# Altium PCB STM32VET6_PCB.PcbDoc (part 1 of 2)
Units mil, origin at the board's own origin, x right, y up, seen from the top; angles counter-clockwise.
Board outline 4926.29 x 3548.34 mil, 2 copper layers (Top Layer, Bottom Layer); 74 components, 112 nets, 463 pads, 168 vias.
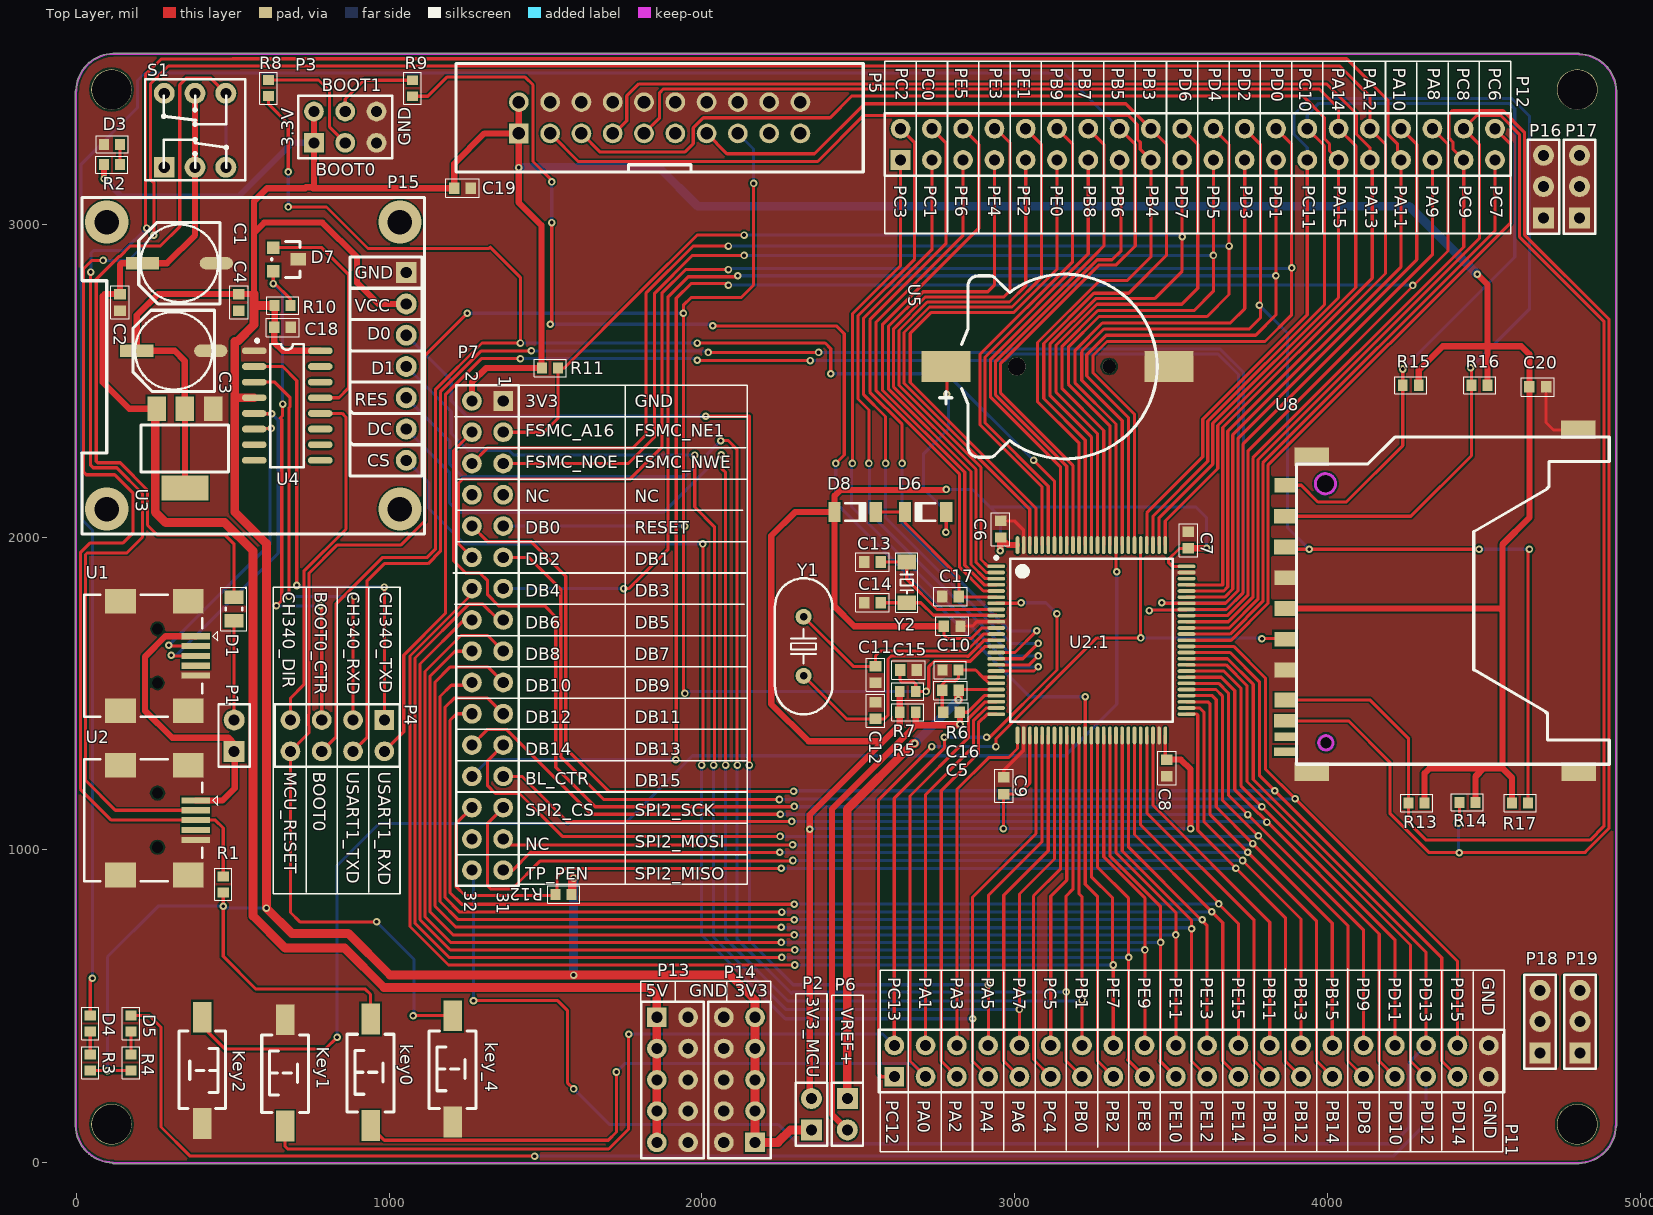
[diagram p0: Top Layer view]
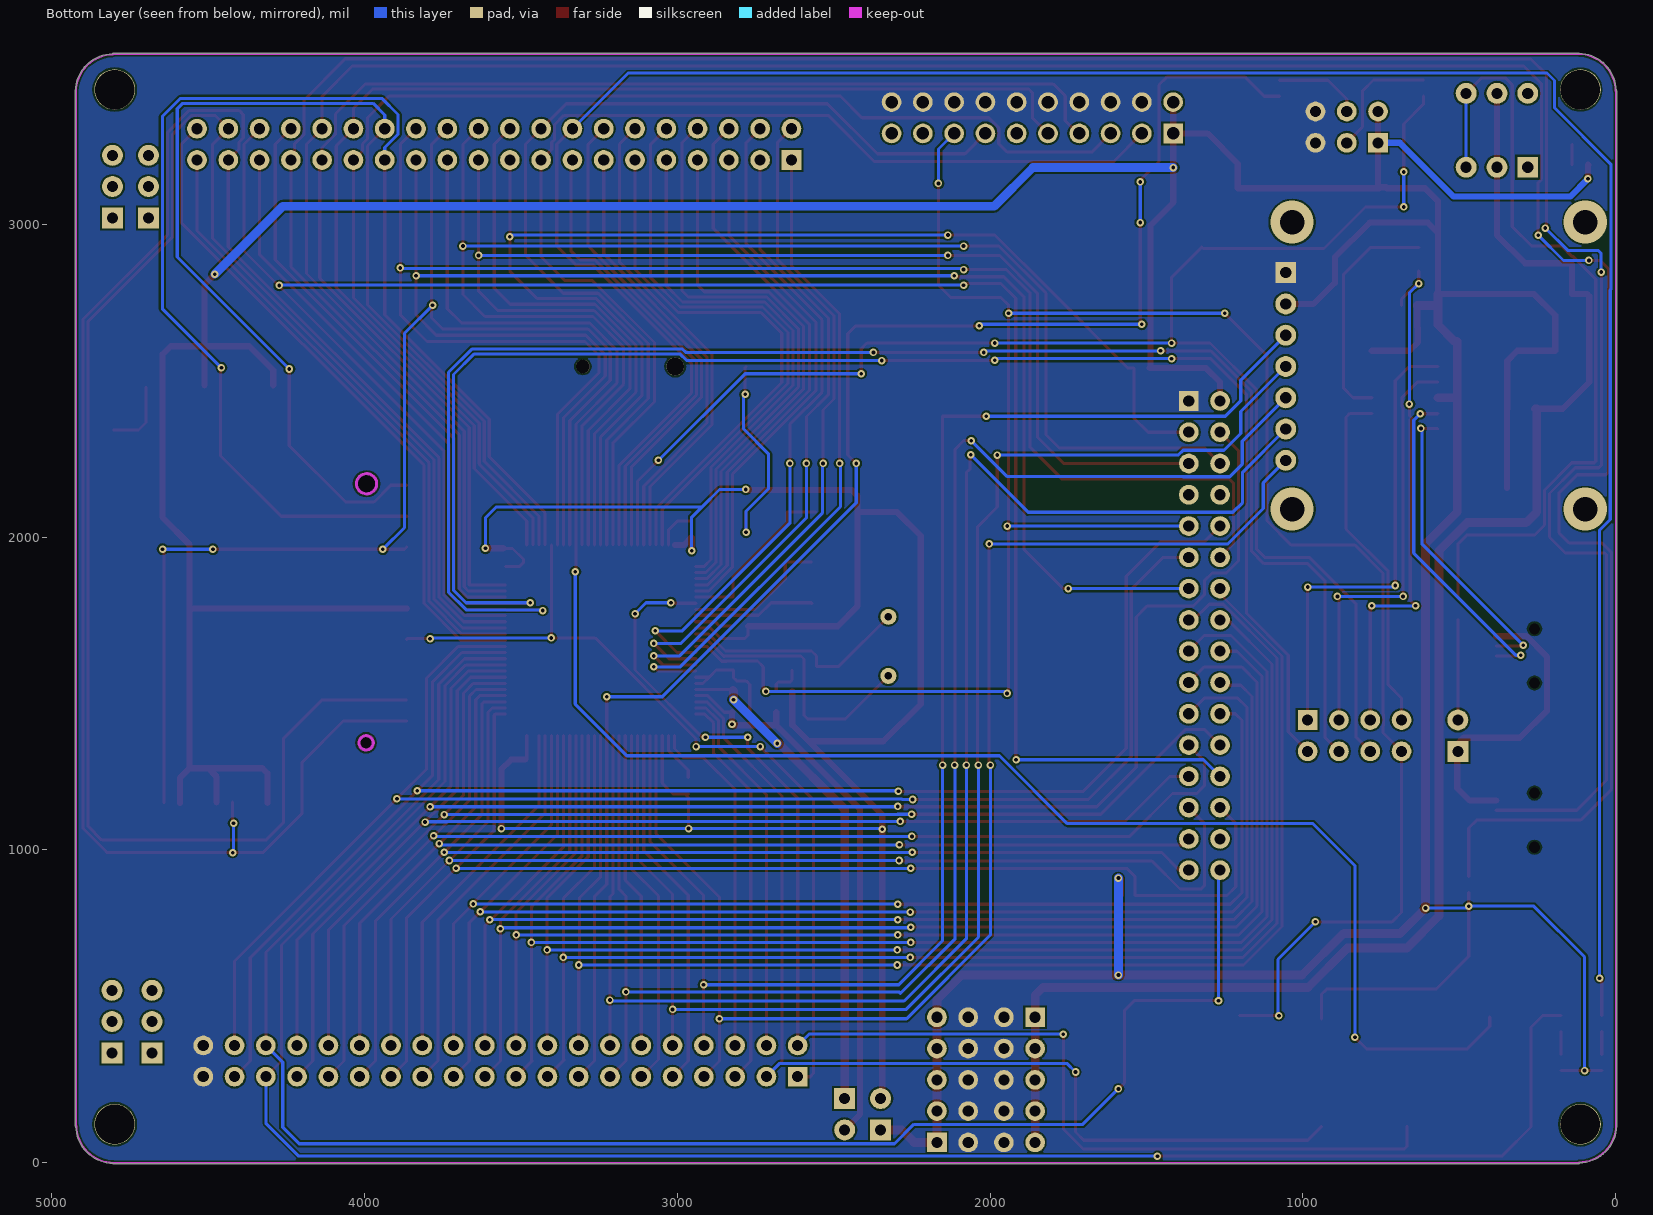
[diagram p1: Bottom Layer view, seen from below]

## Layer stack, top to bottom
Top Solder: solder mask 0.4, Solder Resist, Dk 3.5
Top Layer: signal copper 1.4
Dielectric 1: dielectric 12.6, FR-4, Dk 4.8
Bottom Layer: signal copper 1.4
Bottom Solder: solder mask 0.4, Solder Resist, Dk 3.5

## Board outline
-2.28,117.05 cw(c0,118.11) -2.51,118.11 -2.51,3425.2 cw(c0,3425.2) -0.6,3427.64 cw(c120,3425) 117.05,3545.59 cw(c118.11,3543.31) 118.11,3545.82 4803.15,3545.82 cw(c4803.15,3543.31) 4805.59,3543.9 cw(c4802.95,3423.31) 4923.54,3426.25 cw(c4921.26,3425.2) 4923.77,3425.2 4923.77,118.11 cw(c4921.26,118.11) 4921.86,115.67 cw(c4801.26,118.31) 4804.21,-2.28 cw(c4803.15,0) 4803.15,-2.52 118.11,-2.52 cw(c118.11,0) 115.67,-0.6 cw(c118.31,120)

## Design rules (kind name [scope] priority, off if disabled: settings)
Clearance [All] p1: gap=6 ignorepadtopadclearanceinfootprint=FALSE except(0: Arc-Hole Track-Hole SMDPad-Hole THPad-Hole Via-Hole Fill-Hole Poly-Hole Region-Hole Text-Hole)
PlaneConnect [All] p1: planeconnectstyle=Direct reliefexpansion=20 reliefentries=4 reliefconductorwidth=10 reliefairgap=10
PolygonConnect [All] p1: connectstyle=Direct reliefconductorwidth=10 reliefentries=4 polygonreliefangle="90 Angle" airgapwidth=10
RoutingVias [All] p1: holewidth=12 width=24 viastyle="Through Hole" minholewidth=12 minwidth=24 maxholewidth=12 maxwidth=24
SolderMaskExpansion [All] p1: expansion=4
Width power [InNetClass('PWR')] p1: maxlimit=60 minlimit=10 preferedwidth=28
Width [All] p2: maxlimit=10 minlimit=10 preferedwidth=10
29 further rules are at their usual default settings.

## Classes and differential pairs
net class PWR: DGND GND NetC16_1 VCC_3.3V VCC_3.3V_MCU VCC_5V VCC_A3.3V Vusb

## Components (designator, comment, footprint, x,y, rotation, side; value= is the part's Value field where it differs from the comment)
C1 "220uF/10V" "CT 6*6 - C" 330,2875 r180 top
C2 "100nF/50V" 0603_C 140,2750 r90 top
C3 "220uF/10V" "CT 6*6 - C" 312,2595 r180 top
C4 "100nF/50V" 0603_C 520,2750 r90 top
C5 "100nF/50V" 0603_C 2797.56,1440 r0 top
C6 "100nF/50V" 0603_C 2955,2025 r270 top
C7 "100nF/50V" 0603_C 3555,1990 r270 top
C8 "100nF/50V" 0603_C 3486,1262 r90 top
C9 "100nF/50V" 0603_C 2965,1205 r270 top
C10 "100nF/50V" 0603_C 2800,1715 r180 top
C11 "22pF/50V" 0603_C 2555,1560 r270 top
C12 "22pF/50V" 0603_C 2555,1445 r90 top
C13 "10pF/50V" 0603_C 2545,1920 r0 top
C14 "10pF/50V" 0603_C 2545,1790 r0 top
C15 "100nF/50V" 0603_C 2660,1575 r180 top
C16 "100nF/50V" 0603_C 2795,1510 r180 top
C17 "100nF/50V" 0603_C 2795,1810 r180 top
C18 "100nF/50V" 0603_C 660,2670 r180 top
C19 "100nF/50V" 0603_C 1235,3115 r0 top
C20 "100nF/50V" 0603_C 4671.57,2480 r180 top
D1 "0.5A/6V" 0805_D 504,1770 r90 top
D3 "R_LED" 0603_R 115,3255 r180 top
D4 "G_LED" 0603_R 45,445 r90 top
D5 "B_LED" 0603_R 175,445 r90 top
D6 "LL4148" LL4148 2715,2080 r180 top
D7 "DTC143ECA" SOT23 629.37,2929.88 r270 top
D8 "LL4148" LL4148 2490,2080 r0 top
key0 "WKUP" "TSW SMD-3*6*5" 941,289 r90 top
Key1 "KEY_1" "TSW SMD-3*6*5" 668,287 r90 top
Key2 "KEY_2" "TSW SMD-3*6*5" 403,295 r270 top
key_4 "RESET" "TSW SMD-3*6*5" 1203,300 r90 top
P1 "2P_排针" HDR2.54-LI-2P 505,1365 r90 top
P2 "2P_排针" HDR2.54-LI-2P 2350,155 r90 top
P3 "2*3Pin_插针" HDR2.54-LI-2X3P 860,3310 r0 top
P4 "2x4pin_插针" HDR2.54-LI-2x4P 835,1365 r180 top
P5 "JTAG" DC-2.54-L-Z-20P 1865,3340 r0 top
P6 "2P_排针" HDR2.54-LI-2P 2465,155 r270 top
P7 "TFT_LCD" HDR2.54-M-2X16P 1315,1685 r270 top
P11 "2*20pin_针座" HDR2.54-LI-2x20P 3565,325 r0 top
P12 "2*20pin_针座" HDR2.54-LI-2x20P 3585,3255 r0 top
P13 "2x5pin_针座" HDR2.54-LI-2x5P 1906,265 r270 top
P14 "2x5pin_针座" HDR2.54-LI-2x5P 2120,265 r90 top
P15 "0.96‘OLED" 0.96'OLED 1144.06,3700 r270 top
P16 "1x3pin_针座" HDR2.54-LI-3P 4690,3120 r90 top
P17 "1x3pin_针座" HDR2.54-LI-3P 4805,3120 r90 top
P18 "1x3pin_针座" HDR2.54-LI-3P 4678.94,451.06 r90 top
P19 "1x3pin_针座" HDR2.54-LI-3P 4806.81,451.06 r90 top
R1 "1.5k/1%" 0603_R 470,889.41 r270 top
R2 "4.7k/1%" 0603_R 114.41,3190 r180 top
R3 "4.7k/1%" 0603_R 45,320 r270 top
R4 "4.7k/1%" 0603_R 175,320 r270 top
R5 "0R" 0603_R 2658.03,1440 r180 top
R6 "0R" 0603_R 2794.41,1575 r0 top
R7 "10k/1%" 0603_R 2658.03,1506.52 r180 top
R8 "10k/1%" 0603_R 615,3435 r270 top
R9 "10k/1%" 0603_R 1075,3434.41 r90 top
R10 "10k/1%" 0603_R 660,2740 r0 top
R11 "10k/1%" 0603_R 1515,2540 r180 top
R12 "10k/1%" 0603_R 1558,857 r0 top
R13 "10k/1%" 0603_R 4284.41,1150 r0 top
R14 "10k/1%" 0603_R 4447,1152 r0 top
R15 "10k/1%" 0603_R 4265.59,2485 r0 top
R16 "10k/1%" 0603_R 4485.59,2485 r0 top
R17 "10k/1%" 0603_R 4615,1150 r180 top
S1 "switch" "KFT DIP-8X8" 380,3300 r0 top
U1 "USB" USB-MINI-5P 260,1620 r270 top
U2 "USB" USB-MINI-5P 260,1095 r270 top
U2.1 "STM32F103VET6" STM32F103VET6 3245,1670 r0 top
U3 "AMS1117-3.3V" SOT-223 350,2280 r180 top
U4 "CH340C" SOP16 674,2420 r0 top
U5 "CR1220" CR1220 3160,2545 r180 top
U8 "SD-102" SDCARD_L 3864.64,2066.18 r90 top
Y1 "8MHz" 8Mhz 2324.99,1655.52 r270 top
Y2 "36.768Khz" 32.768Khz晶振 2655,1850 r270 top

## Footprints (in the part's own frame and the unit in brackets; to place one, negate y for a bottom-side part, rotate by r counter-clockwise, add the part's x,y. Pads: shape width x height; smd on the part's side, far side on the other; paste and mask are expansions set on the pad)
0.96'OLED [mm] "7脚"
  rect 1.7x1.7 hole 0.9: 1(21.717,-2.262)
  round 1.7 hole 0.9: 2(24.257,-2.262) 3(26.797,-2.262) 4(29.337,-2.262) 5(31.877,-2.262) 6(34.417,-2.262) 7(36.957,-2.262)
  silkscreen extent 15.62,-28.62 42.92,-0.77, body extent 15.95,-28.59 42.65,-0.73, height 15
8Mhz [mm] "HC-49S8MHZ20PF30PPM"
  round 1.3 hole 0.6: 1(-2.273,0) 2(2.527,0)
  silkscreen extent -5.4,-2.32 5.65,2.33, body extent -5.4,-2.33 5.65,2.33, height 13.95
32.768Khz晶振 [mm] "3215_2脚贴片"
  rect 1.2x1.5 smd: 1(-1.777,0) 2(1.523,0)
  silkscreen extent -2.54,-0.89 2.29,0.89, body extent -1.73,-0.75 1.47,0.75, height 0.61
0603_C [mm] "Chip Capacitor, 2-Leads, Body 1.60x0.80mm, IPC Medium Density"
  rect 0.85x0.95 smd: 1(-0.675,0) 2(0.675,0)
  silkscreen extent -1.35,-0.75 1.35,0.75, body extent -0.85,-0.45 0.85,0.45, height 0.9
0603_R [mm] "Chip Resistor, 2-Leads, Body 1.60x0.80mm, IPC Medium Density"
  rect 0.8x0.9 smd: 1(-0.65,0) 2(0.65,0)
  silkscreen extent -1.3,-0.7 1.3,0.7, body extent -0.85,-0.45 0.85,0.45, height 0.9
0805_D [mm] "Chip Diode, 2-Leads, Body 2.10x1.35mm, IPC Medium Density"
  rect 1.1x1.55 smd: 1(-0.95,0) 2(0.95,0)
  silkscreen extent -1.75,-1.05 1.76,1.05, body extent -1.1,-0.75 1.1,0.75, height 0.9
CR1220 [mm] "纽扣电池座"
  round 1.1 hole 1.1: 0(-3.6,0)
  round 1.45 hole 1.45: 0(3.9,0)
  rect 4x2.5 smd: 1(9.652,0) 2(-8.458,0)
  silkscreen extent -7.5,-7.5 10.16,7.5, body extent -9.42,-7.45 10.34,7.45, height 4.05
"CT 6*6 - C" [mm] "直径6mm，高6mm"
  rect 2.7x1 smd: 1(3,0)
  oval 2.7x1 smd: 2(-3,0)
  silkscreen extent -3.3,-3.3 3.3,3.3, body extent -3.5,-3.15 3.5,3.15, height 6
DC-2.54-L-Z-20P [mm] "立式直插简牛插座，间距2.54（蒜米工坊）"
  rect 1.6x1.6 hole 1.02: 1(-11.43,-1.27)
  round 1.6 hole 1.02: 2(-11.43,1.27) 3(-8.89,-1.27) 4(-8.89,1.27) 5(-6.35,-1.27) 6(-6.35,1.27) 7(-3.81,-1.27) 8(-3.81,1.27) 9(-1.27,-1.27) 10(-1.27,1.27) 11(1.27,-1.27) 12(1.27,1.27) 13(3.81,-1.27) 14(3.81,1.27) 15(6.35,-1.27) 16(6.35,1.27) 17(8.89,-1.27) 18(8.89,1.27) 19(11.43,-1.27) 20(11.43,1.27)
  silkscreen extent -16.53,-4.4 16.53,4.4, body extent -16.53,-4.4 16.52,4.7, height 8.8
HDR2.54-LI-2P [mm] "排针，2脚"
  rect 1.7x1.7 hole 0.9: 1(-1.27,0)
  round 1.7 hole 0.9: 2(1.27,0)
  silkscreen extent -2.54,-1.27 2.54,1.27, body extent -2.54,-1.27 2.54,1.27, height 8.5
HDR2.54-LI-2X3P [mm] "双排排针，3x2脚"
  rect 1.6x1.6 hole 0.9: 1(-2.54,-1.27)
  round 1.6 hole 0.9: 2(0,-1.27) 3(2.54,-1.27) 4(2.54,1.27) 5(0,1.27) 6(-2.54,1.27)
  silkscreen extent -3.81,-2.54 3.81,2.54, body extent -3.81,-2.54 3.81,2.54, height 8.5
HDR2.54-LI-2x4P [mm] "双排排针，4x2脚"
  rect 1.6x1.6 hole 0.9: 1(-3.81,-1.27)
  round 1.6 hole 0.9: 2(-1.27,-1.27) 3(1.27,-1.27) 4(3.81,-1.27) 5(3.81,1.27) 6(1.27,1.27) 7(-1.27,1.27) 8(-3.81,1.27)
  silkscreen extent -5.08,-2.54 5.08,2.54, body extent -5.08,-2.54 5.08,2.54, height 8.5
HDR2.54-LI-2x5P [mm] "双排排针，5x2脚"
  rect 1.6x1.6 hole 0.9: 1(-5.08,-1.27)
  round 1.6 hole 0.9: 2(-2.54,-1.27) 3(0,-1.27) 4(2.54,-1.27) 5(5.08,-1.27) 6(5.08,1.27) 7(2.54,1.27) 8(0,1.27) 9(-2.54,1.27) 10(-5.08,1.27)
  silkscreen extent -6.35,-2.54 6.35,2.54, body extent -6.35,-2.54 6.35,2.54, height 8.5
HDR2.54-LI-2x20P [mm] "双排排针，20x2脚"
  rect 1.6x1.6 hole 0.9: 1(-24.13,-1.27)
  round 1.6 hole 0.9: 2(-21.59,-1.27) 3(-19.05,-1.27) 4(-16.51,-1.27) 5(-13.97,-1.27) 6(-11.43,-1.27) 7(-8.89,-1.27) 8(-6.35,-1.27) 9(-3.81,-1.27) 10(-1.27,-1.27) 11(1.27,-1.27) 12(3.81,-1.27) 13(6.35,-1.27) 14(8.89,-1.27) 15(11.43,-1.27) 16(13.97,-1.27) 17(16.51,-1.27) 18(19.05,-1.27) 19(21.59,-1.27) 20(24.13,-1.27) 21(24.13,1.27) 22(21.59,1.27) 23(19.05,1.27) 24(16.51,1.27) 25(13.97,1.27) 26(11.43,1.27) 27(8.89,1.27) 28(6.35,1.27) 29(3.81,1.27) 30(1.27,1.27) 31(-1.27,1.27) 32(-3.81,1.27) 33(-6.35,1.27) 34(-8.89,1.27) 35(-11.43,1.27) 36(-13.97,1.27) 37(-16.51,1.27) 38(-19.05,1.27) 39(-21.59,1.27) 40(-24.13,1.27)
  silkscreen extent -25.4,-2.54 25.4,2.54, body extent -25.4,-2.54 25.4,2.54, height 8.5
HDR2.54-LI-3P [mm] "排针，3脚"
  rect 1.7x1.7 hole 0.9: 1(-2.54,0)
  round 1.7 hole 0.9: 2(0,0) 3(2.54,0)
  silkscreen extent -3.81,-1.27 3.81,1.27, body extent -3.81,-1.27 3.81,1.27, height 8.5
HDR2.54-M-2X16P [mm] "双排排座，16x2脚"
  rect 1.6x1.6 hole 0.9: 1(-19.05,1.27)
  round 1.6 hole 0.9: 2(-19.05,-1.27) 3(-16.51,1.27) 4(-16.51,-1.27) 5(-13.97,1.27) 6(-13.97,-1.27) 7(-11.43,1.27) 8(-11.43,-1.27) 9(-8.89,1.27) 10(-8.89,-1.27) 11(-6.35,1.27) 12(-6.35,-1.27) 13(-3.81,1.27) 14(-3.81,-1.27) 15(-1.27,1.27) 16(-1.27,-1.27) 17(1.27,1.27) 18(1.27,-1.27) 19(3.81,1.27) 20(3.81,-1.27) 21(6.35,1.27) 22(6.35,-1.27) 23(8.89,1.27) 24(8.89,-1.27) 25(11.43,1.27) 26(11.43,-1.27) 27(13.97,1.27) 28(13.97,-1.27) 29(16.51,1.27) 30(16.51,-1.27) 31(19.05,1.27) 32(19.05,-1.27)
  silkscreen extent -20.32,-2.54 20.32,2.54, body extent -20.32,-2.54 20.32,2.54, height 8.5
"KFT DIP-8X8" [mm] "自锁开关，规格：8*8mm"
  rect 1.7x1.7 hole 0.9: 1(-2.5,-3)
  round 1.7 hole 0.9: 2(0,-3) 3(2.5,-3) 4(2.5,3) 5(0,3) 6(-2.5,3)
  silkscreen extent -4.06,-4.06 4.06,4.15, body extent -3.95,-3.95 4.05,4.05, height 13.1
LL4148 [mm] "MELF Diode, 2-Leads, Body 3.45x1.45mm, IPC Medium Density"
  rect 1x1.65 smd: 1(-1.675,0) 2(1.675,0)
  silkscreen extent -0.8,-0.73 0.8,0.72, body extent -1.73,-0.72 1.73,0.72, height 1.45
SDCARD_L [mm]
  rect 1.2x1.8 smd: 1(0,0) 2(-2.489,0) 3(-4.983,-0.009) 4(-7.483,-0.009) 5(-9.983,-0.009) 6(-12.483,-0.009) 7(-14.908,-0.009) 9(2.517,-0.009)
  rect 1.1x1.8 smd: 8(-16.612,0)
  rect 0.7x1.8 smd: 10(-17.908,-0.009) 12(-19.101,0)
  rect 1.5x2.8 smd: 11(-20.726,-2.143) 11(-20.726,-23.834) 11(4.826,-2.143) 11(7.01,-23.784)
  Keep-Out Layer circle w0.254: c-18.39,-3.3 r0.58
  Keep-Out Layer circle w0.254: c2.642,-3.26 r0.82
  silkscreen extent -20.13,-26.3 6.44,-0.9, body extent -20.86,-26.21 7.11,0.04, height 3.4
SOP16 [mm] "（蒜米工坊）"
  oval 2x0.55 smd: 1(-2.667,4.445) 2(-2.667,3.175) 3(-2.667,1.905) 4(-2.667,0.635) 5(-2.667,-0.635) 6(-2.667,-1.905) 7(-2.667,-3.175) 8(-2.667,-4.445) 9(2.692,-4.445) 10(2.692,-3.175) 11(2.692,-1.905) 12(2.692,-0.635) 13(2.692,0.635) 14(2.692,1.905) 15(2.692,3.175) 16(2.692,4.445)
  silkscreen extent -2.55,-5 1.37,5.39, body extent -2.92,-4.99 2.98,4.99, height 1.45
SOT23 [mil]
  rect 40x40 smd: 1(4.88,0.63) 3(79.88,0.63)
  rect 40x50 smd: 2(41.88,80.63)
  silkscreen extent -15,-4 100,86, body extent -15,-11 99,99, height 47
SOT-223 [mil]
  rect 59x79 smd: 1(-88,-130) 2(2.55,-130) 3(93.1,-130)
  rect 150x79 smd: 4(1.88,123.54)
  silkscreen extent -137,-78 143,72, body extent -126,-139 130,135, height 67
STM32F103VET6 [mm] "TSQFP, 100-Leads, Body 14.00x14.00mm, Pitch 0.50mm, IPC Medium Density"
  oval 1.45x0.3 smd: 1(-7.725,6) 2(-7.725,5.5) 3(-7.725,5) 4(-7.725,4.5) 5(-7.725,4) 6(-7.725,3.5) 7(-7.725,3) 8(-7.725,2.5) 9(-7.725,2) 10(-7.725,1.5) 11(-7.725,1) 12(-7.725,0.5) 13(-7.725,0) 14(-7.725,-0.5) 15(-7.725,-1) 16(-7.725,-1.5) 17(-7.725,-2) 18(-7.725,-2.5) 19(-7.725,-3) 20(-7.725,-3.5) 21(-7.725,-4) 22(-7.725,-4.5) 23(-7.725,-5) 24(-7.725,-5.5) 25(-7.725,-6) 51(7.725,-6) 52(7.725,-5.5) 53(7.725,-5) 54(7.725,-4.5) 55(7.725,-4) 56(7.725,-3.5) 57(7.725,-3) 58(7.725,-2.5) 59(7.725,-2) 60(7.725,-1.5) 61(7.725,-1) 62(7.725,-0.5) 63(7.725,0) 64(7.725,0.5) 65(7.725,1) 66(7.725,1.5) 67(7.725,2) 68(7.725,2.5) 69(7.725,3) 70(7.725,3.5) 71(7.725,4) 72(7.725,4.5) 73(7.725,5) 74(7.725,5.5) 75(7.725,6)
  oval 0.3x1.45 smd: 26(-6,-7.725) 27(-5.5,-7.725) 28(-5,-7.725) 29(-4.5,-7.725) 30(-4,-7.725) 31(-3.5,-7.725) 32(-3,-7.725) 33(-2.5,-7.725) 34(-2,-7.725) 35(-1.5,-7.725) 36(-1,-7.725) 37(-0.5,-7.725) 38(0,-7.725) 39(0.5,-7.725) 40(1,-7.725) 41(1.5,-7.725) 42(2,-7.725) 43(2.5,-7.725) 44(3,-7.725) 45(3.5,-7.725) 46(4,-7.725) 47(4.5,-7.725) 48(5,-7.725) 49(5.5,-7.725) 50(6,-7.725) 76(6,7.725) 77(5.5,7.725) 78(5,7.725) 79(4.5,7.725) 80(4,7.725) 81(3.5,7.725) 82(3,7.725) 83(2.5,7.725) 84(2,7.725) 85(1.5,7.725) 86(1,7.725) 87(0.5,7.725) 88(0,7.725) 89(-0.5,7.725) 90(-1,7.725) 91(-1.5,7.725) 92(-2,7.725) 93(-2.5,7.725) 94(-3,7.725) 95(-3.5,7.725) 96(-4,7.725) 97(-4.5,7.725) 98(-5,7.725) 99(-5.5,7.725) 100(-6,7.725)
  silkscreen extent -7.85,-6.6 6.6,6.82, body extent -8,-8 8,8, height 1.6
"TSW SMD-3*6*5" [mm] "3*6*5mm"
  rect 2.5x1.5 smd: 1(-4.318,0) 2(4.318,0)
  silkscreen extent -3.21,-1.9 3.09,1.9, body extent -4.6,-1.75 4.6,1.75, height 5.1
USB-MINI-5P [mm] "MINI型USB，7.9*7.5*4.1mm"
  rect 0.5x2.3 smd: 1(-1.6,3.108) 2(-0.8,3.108) 3(0,3.108) 4(0.8,3.108) 5(1.6,3.108)
  rect 2x2.5 smd: 5(-4.45,2.5) 5(-4.45,-3) 5(4.45,2.5) 5(4.45,-3)
  round 0.6 hole 0.9 unplated: MH1(2.2,0) MH2(-2.2,0)
  silkscreen extent -4.95,-5.95 4.95,4.89, body extent -4.75,-6 4.75,3.7, height 3.95

## Part data
C1 C3: "6.3*5.4"
C2 C4 C5 C6 C7 C8 C9 C10 C15 C16 C17 C18 C19 C20: library part 100nF_C
C11 C12: library part 22pF_C
C13 C14: library part 10pF_C
D1: library part 0.5A/6V保险丝
D3: library part Red_LED
D4: library part Green_LED
D5: library part Blue_LED
D7: library part DTC143ECA_三极管
key0 Key1 Key2 key_4: library part key
P5: library part JTAG_20pin
P7: library part 2*16pin_母座
P15: library part 0.96'OLED
R1: library part 1.5k_R
R2 R3 R4: library part 4.7k_R
R5 R6: library part 0R_R
R7 R8 R9 R10 R11 R12 R13 R14 R15 R16 R17: library part 10k_R
S1: library part 自锁开关
U1 U2: library part mini-USB
U2.1: "LQFP100"
Y1: library part 8MHz晶振

## Free pads (board coordinates)
  round 129.92 hole 125.98: 1(113.11,123.11) 2(4798.15,123.11) 3(4798.15,3430.2) 4(113.11,3430.2)

## Via types
v1: diameter 24, hole 12, Top Layer to Bottom Layer, 91 vias
v2: diameter 24, hole 12, Top Layer to Bottom Layer, tented both sides, 71 vias
v3: diameter 137.8, hole 78.74, Top Layer to Bottom Layer, 4 vias
v4: diameter 66.93, hole 64.57, Top Layer to Bottom Layer, 1 vias
v5: diameter 47.24, hole 45.67, Top Layer to Bottom Layer, 1 vias

## Nets (pads, with @x,y where several pads share a name; then routed paths per layer and width w, separated by ;. In a path a pad name is that pad's centre, name@x,y a point inside that pad or via, vN(x,y) a via of type N, cw(c..) or ccw(c..) an arc to the next point about the centre after c; other vN are vias at no path point)
BL_CTR: P7.26 P12.23 U2.1.67 | length 6527
  Top Layer w10: v2(1917,1288) 1918,1287 1918,2763 1965,2810 2080,2810 v2(2085,2805) ; U2.1.67@3549.13,1748.74 3679.71,1748.74 3745,1814.03 3745,2274 4385,2914 4385,3255 P12.23@4335,3305
  Bottom Layer w10: P7.26@1265,1235 1318,1288 v2(1917,1288) ; v2(2085,2805) 4271,2805 v2(4272,2804)
BOOT0: P4.6 R8.2 U2.1.94 | length 5293
  Top Layer w10: R8.2@615,3409.41 615,3383 678,3320 v1(678,3167) ; v1(678,3055) 800,3055 933,2922 1320,2922 1324,2926 1420,2830 v1(1420,2620) 1297.37,2620 1148,2470.63 1148,1960.63 1122.37,1935 980,1935 830,1785 830,1360 P4.6@785,1315 ; v1(1985,2620) 2394,2620 2412,2602 v1(2412,2522) ; v2(3060,2245) 3126.89,2178.11 U2.1.94@3126.89,1974.13
  Bottom Layer w10: v1(678,3055) v1(678,3167) ; v1(1420,2620) v1(1985,2620) ; v1(2412,2522) 2783,2522 v2(3060,2245)
BOOT0_CTR: D7.3 P4.3 R10.2 | length 1691.4
  Top Layer w10: v1@630,2815 D7.3@630,2850 ; v1@632.5,2812.5 685.59,2759.41 R10.2@685.59,2740 ; v1(640,1780) 657,1797 657,2375.47 652,2380.47 660,2388.47 v1(660,2425) ; v1(780,1780) 785,1775 P4.3@785,1415
  Bottom Layer w10: v1(630,2810) 660,2780 v1(660,2425) ; v1(640,1780) v1(780,1780)
BOOT1: P11.8 R9.1 U2.1.37 | length 5022.7
  Top Layer w10: R9.1@1075,3408.82 1123.82,3408.82 1185,3470 1435,3470 1460,3445 1460,3200 1520,3140 v1(1520,3135) ; v1(1515,2680) 1520,2685 v1(1520,3005) ; v1(2035,2675) 2430,2675 2455,2650 2455,2262 v1(2428,2235) v1@2428,2232 ; v1(3225.31,1489.31) U2.1.37@3225.31,1365.87 3225.31,889.69 3265,850 3265,325 P11.8@3315,275
  Bottom Layer w10: v1(1515,2680) 2030,2680 v1(2035,2675) ; v1(1520,3005) v1(1520,3135) ; v1@2428,2232 2428,2109 3047.69,1489.31 v1(3225.31,1489.31)
CH340_D+: U1.3 U4.5 | length 1067.1
  Top Layer w10: v1(304,1622) 306,1620 U1.3@382.36,1620 ; U4.5@569,2395 570,2394 v1(625,2394)
  Bottom Layer w10: v1(304,1622) 319.53,1622 646,1948.47 646,2373 v1(625,2394)
CH340_D-: U1.2 U4.6 | length 973
  Top Layer w10: v1(296,1654) 298.51,1651.49 U1.2@382.36,1651.49 ; U4.6@569,2345 571,2347 v1(623,2347)
  Bottom Layer w10: v1(296,1654) 619,1977 619,2347 v1(623,2347)
CH340_DIR: P4.4 U4.12 | length 1128.6
  Top Layer w10: P4.4@685,1415 685,1485 728,1528 728,1890.63 862.37,2025 862.37,2382.63 850,2395 U4.12@780,2395
CH340_RXD: P4.2 U4.3 | length 1379.2
  Top Layer w10: U4.3@569,2495 635,2495 683,2447 683,2415.47 680,2412.47 v1(680,1810) ; P4.2@885,1415 885,1805 v1(890,1810)
  Bottom Layer w10: v1(680,1810) v1(890,1810)
CH340_TXD: P4.1 U4.2 | length 1516.7
  Top Layer w10: U4.2@569,2545 660,2545 705,2500 v1(705,1845) ; P4.1@985,1415 v1(985,1840)
  Bottom Layer w10: v1(705,1845) 710,1840 v1(985,1840)
DB0: P7.10 P11.19 U2.1.61 | length 5036.9
  Top Layer w10: P7.10@1265,2035 1315,1985 1455,1985 1565,1875 1565,1325 1704,1186 1705,1187 v2(2293,1187) ; U2.1.61@3549.13,1630.63 3688.37,1630.63 3781.85,1537.15 3781.85,1238.15 v2(3831,1189) 4365,655 4365,325 P11.19@4415,275
  Bottom Layer w10: v2(2293,1187) 2295,1189 v2(3831,1189)
DB1: P7.11 P11.22 U2.1.62 | length 4888
  Top Layer w10: P7.11@1365,1935 1447,1935 1549,1833 1549,1298 1686,1161 v2(2248,1161) ; U2.1.62@3549.13,1650.31 3699.69,1650.31 3801.54,1548.46 3801.54,1257.46 v2(3896,1163) 4415,644 P11.22@4415,375
  Bottom Layer w10: v2(2248,1161) 2281,1161 2283,1163 v2(3896,1163)
DB2: P7.12 P12.28 U2.1.81 | length 5456
  Top Layer w10: P7.12@1265,1935 1222.5,1977.5 1222.5,2172.5 1235,2185 1770,2185 1872,2287 1872,2779 1948,2855 v2(2085,2855) ; U2.1.81@3382.8,1974.13 3382.8,2392.2 3250,2525 3250,2580 3295,2625 3800,2625 3885,2710 v2(3885,2860) 3885,3255 P12.28@3835,3305
  Bottom Layer w10: v2(2085,2855) 2088,2858 3883,2858 v2(3885,2860)
DB3: P7.13 P12.13 U2.1.82 | length 5173.1
  Top Layer w10: v2(1750,1835) 1766,1835 1892,1961 1892,2768 1956,2832 2112,2832 v2(2115,2835) ; U2.1.82@3363.11,1974.13 3363.11,2381.89 3230.31,2514.68 3230.31,2582.94 3292.37,2645 3770,2645 3835,2710 v2(3835,2835) P12.13@3835,3205
  Bottom Layer w10: P7.13@1365,1835 v2(1750,1835) ; v2(2115,2835) v2(3835,2835)
DB4: P7.14 P11.33 U2.1.38 | length 4485.8
  Top Layer w10: P7.14@1265,1835 1265,1817.73 1067,1619.73 1067,755 1190,632 v2(2297,632) ; U2.1.38@3245,1365.87 3245,914 3313,846 3313,642 3315,640 v2(3315,632) 3315,387 3313,385 3319,379 P11.33@3315,375
  Bottom Layer w10: v2(2297,632) v2(3315,632)
DB5: P7.15 P11.9 U2.1.39 | length 4703.5
  Top Layer w10: P7.15@1365,1735 1350,1735 1300,1785 1254.9,1785 1083,1613.1 1083,765 1192,656 v2(2255,656) ; U2.1.39@3264.69,1365.87 3264.69,944.31 3364,845 v2(3364,656) 3364,331.25 3361.37,328.63 P11.9@3415,275
  Bottom Layer w10: v2(2255,656) v2(3364,656)
DB6: P7.16 P11.32 U2.1.40 | length 4448.5
  Top Layer w10: P7.16@1265,1735 1240,1735 1099,1594 1099,777 1196,680 v2(2297,680) ; U2.1.40@3284.37,1365.87 3284.37,978.13 3416,846.5 v2(3416,680) 3416,386 3411,381 3416,376 P11.32@3415,375
  Bottom Layer w10: v2(2297,680) v2(3416,680)
DB7: P7.17 P11.10 U2.1.41 | length 4668
  Top Layer w10: P7.17@1365,1635 1315,1685 1230,1685 1115,1570 1115,786 1197,704 v2(2254,704) ; U2.1.41@3304.06,1365.87 3304.06,981.07 3465,820.13 3464,819.13 3466,817.13 v2(3466,704) 3466,328 3464,326 P11.10@3515,275
  Bottom Layer w10: v2(2254,704) v2(3466,704)
DB8: P7.18 P11.31 U2.1.42 | length 4408.2
  Top Layer w10: P7.18@1265,1635 1211,1635 1131,1555 1131,802 1205,728 v2(2295,728) ; U2.1.42@3323.74,1365.87 3323.74,991.11 3515,799.85 v2(3515,728) 3515,383 3519,379 P11.31@3515,375
  Bottom Layer w10: v2(2295,728) v2(3515,728)
DB9: P7.19 P11.11 U2.1.43 | length 4619.9
  Top Layer w10: P7.19@1365,1535 1315,1585 1196,1585 1147,1536 1147,820 1214,753 v2(2254,753) ; U2.1.43@3343.43,1365.87 3343.43,996.42 3565,774.85 v2(3565,748) 3565,325 P11.11@3615,275
  Bottom Layer w10: v2(2254,753) 2256,751 v2@3560,751
DB10: P7.20 P11.30 U2.1.44 | length 4351.6
  Top Layer w10: P7.20@1265,1535 1273.64,1526.36 1199.36,1526.36 1163,1490 1163,835 1221,777 v2(2295,777) ; U2.1.44@3363.11,1365.87 3363.11,1009.42 v2@3595.53,777 ; v2(3599,777) v2@3595.53,777 ; P11.30@3615,375 3615,757.53 v2@3595.53,777
  Bottom Layer w10: v2(2295,777) v2(3599,777)
DB11: P7.21 P11.12 U2.1.45 | length 4528.1
  Top Layer w10: P7.21@1365,1435 1315,1485 1208,1485 1179,1456 1179,848 1226,801 v2(2255,801) ; U2.1.45@3382.8,1365.87 3382.8,1049.2 v2(3630,802) 3665,767 3665,325 P11.12@3715,275
  Bottom Layer w10: v2(2255,801) 3631,801 v2(3630,802)
DB12: P7.22 P11.29 U2.1.46 | length 4221.9
  Top Layer w10: P7.22@1265,1435 1216,1435 1195,1414 1195,863 1232,826 v2(2295,826) ; U2.1.46@3402.48,1365.87 3402.48,1079.52 v2@3653.5,828.5 ; v2(3652,827) 3715,764 P11.29@3715,375
  Bottom Layer w10: v2(2295,826) 2296,827 v2(3652,827)
DB13: P7.23 P11.16 U2.1.55 | length 4209.8
  Top Layer w10: P7.23@1365,1335 1315,1285 1315,1205 1340,1180 1417,1180 1554,1043 v2(2250,1043) ; U2.1.55@3549.13,1512.52 3643.48,1512.52 3663.74,1492.26 3663.74,1159.26 4065,758 4065,325 P11.16@4115,275
  Bottom Layer w10: v2(2250,1043) 3777,1043 v2(3779,1045)
DB14: P7.24 P11.25 U2.1.56 | length 4065.1
  Top Layer w10: P7.24@1265,1335 1315,1385 1375.1,1385 1646.1,1114 v2(2251,1114) ; U2.1.56@3549.13,1532.2 3651.8,1532.2 3683.43,1500.57 3683.43,1174.57 v2(3745,1113) 4115,743 P11.25@4115,375
  Bottom Layer w10: v2(2251,1114) 2296.53,1114 2297.53,1113 v2(3745,1113)
DB15: P7.25 P11.17 U2.1.57 | length 4121.1
  Top Layer w10: P7.25@1365,1235 1425,1235 1571,1089 1573,1091 v2(2287,1091) ; U2.1.57@3549.13,1551.89 3660.11,1551.89 3703.11,1508.89 3703.11,1192.36 3780.47,1115 3781,1115 4165,731 4165,325 P11.17@4215,275
  Bottom Layer w10: v2(2287,1091) 3734.47,1091 3735.47,1090 3805,1090 v2(3806,1089)
DGND: C5.1 C16.2 R6.2 U2.1.19 U2.1.20 | length 356.3
  Top Layer w10: C5.1@2770.98,1440 2768.43,1442.56 C16.2@2768.43,1510 2768.43,1528.43 2780,1540 2810,1540 2820,1550 R6.2@2820,1575 2875,1575 2898.11,1551.89 ; U2.1.20@2940.87,1532.2 2917.8,1532.2 2898.11,1551.89 ; U2.1.19@2940.87,1551.89 2898.11,1551.89
FSMC_A16: P7.4 P11.24 U2.1.58 | length 5195.4
  Top Layer w10: P7.4@1265,2335 1206.5,2276.5 1206.5,1923.5 1245,1885 1290,1885 1315,1860 1315,1815 1350,1780 1497.37,1780 1533,1744.37 1533,1264 1659,1138 2294,1138 v2(2295,1139) ; U2.1.58@3549.13,1571.57 3668.43,1571.57 3722.8,1517.2 3722.8,1205.2 v2(3790,1138) 4215,713 P11.24@4215,375
  Bottom Layer w10: v2(2295,1139) 2296,1138 v2(3790,1138)
FSMC_NE1: P7.3 P12.10 R11.1 U2.1.88 | length 4098.1
  Top Layer w10: P7.3@1365,2335 1495,2335 1540.59,2380.59 R11.1@1540.59,2540 1560,2540 1805,2785 1805,2785.51 1984.49,2965 v2(2135,2965) ; U2.1.88@3245,1974.13 3245,2320 3112.2,2452.8 3112.2,2615.74 3258.46,2762 3447,2762 3535,2850 v2(3535,2960) P12.10@3535,3205
  Bottom Layer w10: v2(2135,2965) 3530,2965 v2(3535,2960)
FSMC_NOE: P7.6 P12.30 U2.1.85 | length 4795
  Top Layer w10: P7.6@1265,2235 1315,2285 1780,2285 1821,2326 1821,2778.88 1972.12,2930 v2(2085,2930) ; U2.1.85@3304.06,1974.13 3304.06,2355.94 3171.26,2488.74 3171.26,2606.92 3269.34,2705 3615,2705 3685,2775 v2(3685,2930) 3685,3255 P12.30@3635,3305
  Bottom Layer w10: v2(2085,2930) v2(3685,2930)
FSMC_NWE: P7.5 P12.11 U2.1.86 | length 4481.6
  Top Layer w10: P7.5@1365,2235 1765,2235 1848,2318 1848,2778 1970,2900 v2(2135,2900) ; U2.1.86@3284.37,1974.13 3284.37,2340.63 3151.57,2473.43 3151.57,2609.86 3265.72,2724 3574,2724 3635,2785 v2(3635,2900) P12.11@3635,3205
  Bottom Layer w10: v2(2135,2900) v2(3635,2900)
GND: C1.2 C2.1 C3.2 C6.1 C7.1 C8.1 C9.1 C10.1 C11.2 C12.2 C13.1 C14.1 C15.1 C17.2 C18.1 C19.2 C20.1 D3.2 D7.2 Key1.2 Key2.2 key_4.1 P3.3 P3.4 P5.4 P5.6 P5.8 P5.10 P5.12 P5.14 P5.16 P5.18 P5.20 P7.1 P11.20 P11.21 P13.6 P13.7 P13.8 P13.9 P13.10 P14.6 P14.7 P14.8 P14.9 P14.10 P15.1 R6.1 U1.5 U2.1.10 U2.1.27 U2.1.49 U2.1.74 U2.1.99 U2.5 U3.1 U4.1 U5.2 U8.3 U8.6 U8.11 | length 640.8
  Top Layer w10: C10.1@2826.57,1715 2865,1715 2879.06,1729.06 U2.1.10@2940.87,1729.06 ; C6.1@2955,2051.57 2998.43,2051.57 3028.46,2021.54 U2.1.99@3028.46,1974.13 ; C9.1@2965,1231.57 2965,1255 3028.46,1318.46 U2.1.27@3028.46,1365.87 ; C20.1@4698.15,2480 4698.15,2365.85 4721.82,2342.18 U8.11@4801,2342.18
JTDI: P5.5 P12.15 U2.1.77 | length 4154.8
  Top Layer w10: P5.5@1615,3290 1675,3230 1945,3230 1972.5,3257.5 1972.5,3307.6 2004.9,3340 2410,3340 2480,3410 3920,3410 3990,3340 3990,3272.63 4006,3256.63 4006,3234 P12.15@4035,3205 4035,2765.25 3633,2363.25 3633,2233 3461.54,2061.54 U2.1.77@3461.54,1974.13
JTDO: P5.13 P12.32 U2.1.89 | length 3180.6
  Top Layer w10: P5.13@2015,3290 2080,3225 2360,3225 2520,3385 3355,3385 P12.32@3435,3305 3485,3255 3485,2900 3364,2779 3252.83,2779 3092.52,2618.68 3092.52,2442.48 3225.31,2309.69 U2.1.89@3225.31,1974.13
JTMS-SWCLK: P5.9 P12.26 U2.1.76 | length 4022.6
  Top Layer w10: P5.9@1815,3290 1865,3340 1865,3420 1877.5,3432.5 3972.5,3432.5 4035,3370 P12.26@4035,3305 4090,3250 4090,2797.63 3649,2356.63 3649,2219 3481.22,2051.22 U2.1.76@3481.22,1974.13
JTMS-SWDIO: P5.7 P12.16 U2.1.72 | length 4369.5
  Top Layer w10: P5.7@1715,3290 1720,3290 1760,3330 1760,3410 1798.5,3448.5 3996.5,3448.5 4092.5,3352.5 4092.5,3287.4 4135,3244.9 P12.16@4135,3205 4142.5,3197.5 4142.5,2827.5 3665,2350 3665,1847.17 U2.1.72@3549.13,1847.17
KEY_1: Key1.1 P11.40 U2.1.7 | length 4249.5
  Top Layer w10: Key1.1@668,117 668,52 676,44 1702,44 1766,108 v1(1766,411) ; P11.40@2615,375 2615,1164.49 2775,1324.49 v2(2775,1360) ; v1(2910,1360) 2920,1360 3135,1575 v1(3135,1755) ; U2.1.7@2940.87,1788.11 3018.11,1788.11 v2(3020,1790)
  Bottom Layer w10: v1(1766,411) 2579,411 P11.40@2615,375 ; v2(2775,1360) v1(2910,1360) ; v2(3020,1790) 3100,1790 v1(3135,1755)
KEY_2: Key2.1 P12.12 U2.1.84 | length 6018.1
  Top Layer w10: Key2.1@403,465 403,436 475,364 797,364 v1(834,401) ; v1(3326,1889) 3323.74,1891.26 U2.1.84@3323.74,1974.13 3323.74,2361.26 3193,2492 3193,2597 3280,2684 3689,2684 3735,2730 P12.12@3735,3205
  Bottom Layer w10: v1(834,401) 834,950 968,1084 1753,1084 1970,1301 3161,1301 3326,1466 v1(3326,1889)
LED_1: D4.2 P12.33 U2.1.91 | length 7961.1
  Top Layer w10: D4.2@45,470.59 45,583 v1(52,590) ; U2.1.91@3185.94,1974.13 3185.94,2229.06 2955,2460 2955,2555 3270,2870 3325,2870 3385,2930 3385,3255 P12.33@3335,3305
  Bottom Layer w10: v1(52,590) 52,2021.74 17.9,2055.84 17.9,2789.98 15.88,2792 15.88,3191.88 196,3372 196,3459 220,3483 3157,3483 P12.33@3335,3305
LED_2: D5.2 P11.18 U2.1.59 | length 6434
  Top Layer w10: D5.2@175,470.59 233.41,470.59 271,433 271,114 363,22 1471.5,22 1465,15.5 v1(1465,21) ; U2.1.59@3549.13,1591.26 3675.74,1591.26 3742.48,1524.52 3742.48,1218.52 4265,696 4265,325 P11.18@4315,275
  Bottom Layer w10: v1(1465,21) 4210,21 4315,126 P11.18@4315,275
NetC11_1: C11.1 U2.1.12 Y1.1 | length 743.8
  Top Layer w10: Y1.1@2325,1745 2483.43,1586.57 C11.1@2555,1586.57 2555,1620 2570.72,1635.72 2845.72,1635.72 2899.69,1689.69 U2.1.12@2940.87,1689.69
NetC12_1: C12.1 U2.1.13 Y1.2 | length 883.1
  Top Layer w10: Y1.2@2325,1556.02 2462.6,1418.43 C12.1@2555,1418.43 2583.43,1418.43 2595,1430 2595,1610 2604.72,1619.72 2846.93,1619.72 2847.65,1619 2851.63,1619 2902.63,1670 U2.1.13@2940.87,1670
NetC14_2: C14.2 U2.1.9 Y2.2 | length 389.2
  Top Layer w10: C14.2@2570,1788.43 C14.2@2571.57,1790 C14.2@2571.57,1790 Y2.2@2655,1790.04 2699.96,1790.04 2740.3,1749.7 2940.87,1749.7 U2.1.9@2940.87,1748.74
NetC16_1: C16.1 P6.1 U2.1.21 | length 1576
  Top Layer w10: C16.1@2821.57,1510 2824.09,1512.52 U2.1.21@2940.87,1512.52
  Top Layer w28: P6.1@2465,205 2465,1130 2675,1340 v2(2680,1340) ; v2(2820,1480) 2820,1508.43 C16.1@2821.57,1510
  Bottom Layer w28: v2(2680,1340) v2(2820,1480)
NetC17_1: C17.1 D6.2 D8.2 U2.1.6 | length 554.8
  Top Layer w10: D8.2@2555.94,2080 D6.2@2649.06,2080 2649.06,2045.94 2821.57,1873.43 C17.1@2821.57,1810 2823.78,1807.8 U2.1.6@2940.87,1807.8
NetD1_1: D1.1 P1.2 | length 317.6
  Top Layer w10: P1.2@505,1419 D1.1@505,1736.6
NetD1_2: D1.2 S1.3 S1.4 | length 2571.2
  Top Layer w10: S1.4@478.43,3418.11 429,3467.54 353.54,3467.54 331,3445 331,2992 269,2930 173,2930 139,2896 136.3,2896 64,2823.7 64,2241.64 68.37,2237.27 140.73,2237.27 228.12,2149.88 228.12,2037.88 260,2006 477,2006 504,1979 D1.2@504,1807.4
  Bottom Layer w10: S1.3@478.43,3181.89 S1.4@478.43,3418.11
NetD3_1: D3.1 R2.1 | length 65.2
  Top Layer w10: R2.1@140,3190 140,3254.41 D3.1@140.59,3255
NetD4_1: D4.1 R3.1 | length 73.8
  Top Layer w10: R3.1@45,345.59 D4.1@45,419.41
NetD5_1: D5.1 R4.1 | length 73.8
  Top Layer w10: R4.1@175,345.59 D5.1@175,419.41
NetD6_1: D6.1 U5.1 | length 661.7
  Top Layer w10: v1(2780,2015) 2780.94,2015.94 D6.1@2780.94,2080 ; U5.1@2780,2545 2783,2542 v1(2783,2456)
  Bottom Layer w10: v1(2780,2015) 2780,2083 2708,2155 2708,2265 2788,2345 2788,2451 v1(2783,2456)
NetD7_1: D7.1 U4.13 | length 742.6
  Top Layer w10: D7.1@630,2925 785,2925 870,2840 870,2475 840,2445 U4.13@780,2445
NetP3_2: P3.2 R8.1 | length 395.5
  Top Layer w10: R8.1@615,3460.59 774.41,3460.59 810,3425 810,3310 P3.2@860,3260
NetP3_5: P3.5 R9.2 | length 279.9
  Top Layer w10: P3.5@860,3360 860,3400 920,3460 R9.2@1075,3460
NetP16_1: P16.1 P16.2 P16.3
NetP17_1: P17.1 P17.2 P17.3
NetP18_1: P18.1 P18.2 P18.3
NetP19_1: P19.1 P19.2 P19.3